# Allegro board controller_layout.brd (continued)
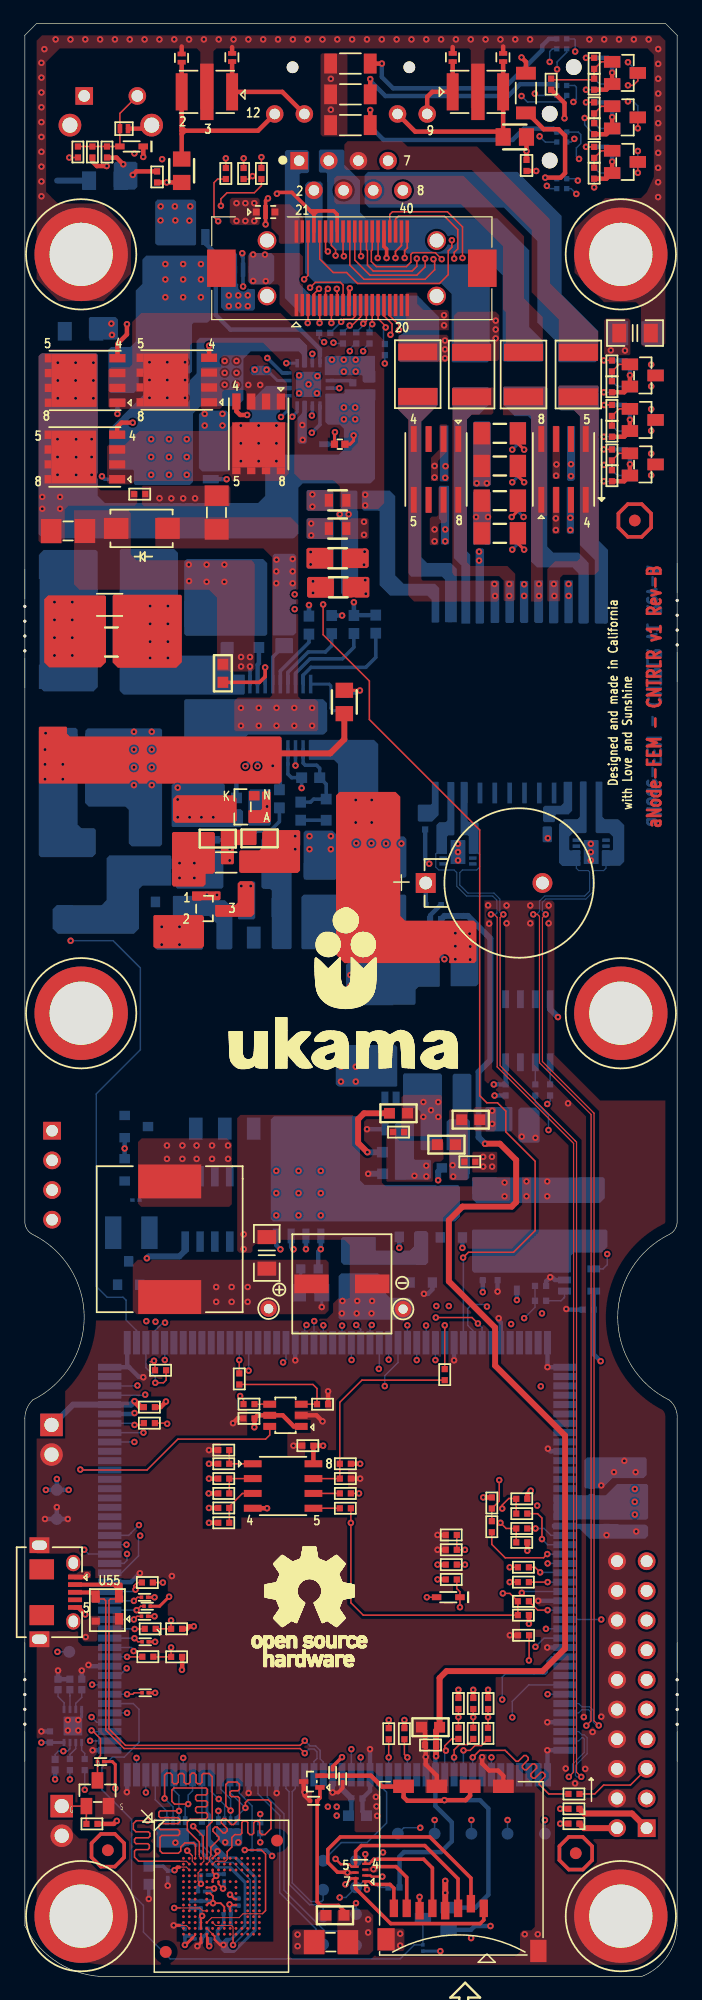
[diagram p0: board, top side]
## Copper pours and planes (outline as drawn; the poured copper is in the pictures) (continued)
(no net) on BOTTOM: 11.76,96.96 11.58,96.78 9.17,96.78 8.9,97.04 8.9,99.9 8.61,100.2 5.47,100.2 5.16,100.51 5.16,105.27 5.18,105.29 5.18,106.68 5.38,106.88 11.63,106.88 11.76,106.76
(no net) on BOTTOM: 7.97,141.91 7.97,140.35 7.8,140.18 5.64,140.18 5.48,140.34 5.48,142.01 5.58,142.11 7.77,142.11
(no net) on BOTTOM: 35.65,122.69 35.71,122.64 36.27,122.64 36.34,122.71 36.34,127.61 36.29,127.66 35.55,127.66 35.48,127.59 35.48,124.84 35.65,124.67
(no net) on BOTTOM: 31.96,135.82 31.96,134.2 32.85,133.31 32.85,120.13 33.1,119.88 35.73,119.88 35.99,119.62 35.99,116.02 36.04,115.97 36.98,115.97 37,115.99 37,120.54 36.5,121.05 34.46,121.05 33.96,121.55 33.96,133.15 35.39,134.58 35.39,135.87 35.21,136.05 32.18,136.05 32.18,136.04
(no net) on BOTTOM: 38.44,63.97 49.78,63.97 49.92,63.84 49.92,62.51 49.41,62 47.04,62 46.78,61.74 46.78,60.47 46.6,60.29 38.47,60.29 38.31,60.45 38.31,63.84
(no net) on BOTTOM: 45.45,41.23 49.76,41.23 50.72,42.19 53.26,42.19 53.39,42.06 53.39,39.26 53.26,39.14 45.36,39.14 45.29,39.2 45.29,41.07
(no net) on BOTTOM: 12.74,92.54 14.98,92.54 15.35,92.17 17.14,92.17 17.78,91.52 17.78,88.1 17.64,87.96 16.51,87.96 16.41,88.06 16.41,90.2 15.77,90.83 12.72,90.83 12.68,90.87 12.68,92.49
(no net) on L2-GND: 26.75,87.41 26.24,87.92 1.56,87.92 1.08,88.39 1.08,122.58 2.12,123.62 32.02,123.62 33.15,122.5 33.15,84.24 32.79,83.87 26.87,83.87 26.75,84
(no net) on L3-SIG1: 32.61,95.4 32.61,107.47 32.6,107.47 32.6,113.9 31.8,114.71 20.57,114.71 20.07,115.21 20.07,117.6 19.81,117.86 10.41,117.86 10.16,117.6 10.16,95 10.46,94.69 31.9,94.69
B2B_3V3 on TOP: 23.86,148.46 23.86,150.61 22.7,151.76 21.34,151.76 21.12,151.54 21.12,149.72 21.75,149.08 21.75,148.53 21.9,148.38 23.77,148.38
B2B_12V on BOTTOM (solid shape): 21.36,147.33 21.36,145.24 21.02,144.89 20.96,144.89 20.75,144.92 20.53,144.89 19.36,144.89 19.18,145.08 19.18,147.52 19.26,147.6 21.1,147.6
B2B_12V on TOP: 23.82,142.21 23.82,147.29 23.52,147.6 19.35,147.6 19.1,147.34 19.1,145.21 19.4,144.91 21.67,144.91 21.82,144.76 21.82,143.2 22.86,142.16 23.77,142.16
CHASIS_GND on TOP: 49.62,143.38 47.09,145.91 47.09,149.68 49.73,152.32 49.75,152.3 52.78,152.3 53.27,152.79 53.88,154.12 53.88,164.56 53.33,165.12 39.55,165.12 39.37,164.93 39.37,160.02 39.17,159.82 38.4,159.82 38.2,160.02 38.2,164.96 38.05,165.12 16.41,165.12 16.15,164.86 16.15,159.97 15.95,159.77 15.19,159.77 15.04,159.92 15.04,164.81 14.73,165.12 3,165.12 1.82,163.94 1.82,152.83 2.82,151.84 6.59,151.84 9.09,149.33 9.09,145.82 6.75,143.48 2.89,143.48 1.02,145.36 1.02,165.78 1.47,166.24 54.4,166.24 54.86,165.78 54.86,139.85 54.61,139.6 52.98,139.6 52.78,139.8 52.78,142.97 52.36,143.38
CHASIS_GND on BOTTOM: 52.98,139.6 52.78,139.8 52.78,142.97 52.37,143.38 49.46,143.38 47.24,145.59 47.24,149.91 49.38,152.04 52.78,152.04 53.86,153.13 53.86,159.56 53.87,159.56 53.87,164.55 53.3,165.12 48.06,165.12 48.06,166.22 47.75,166.22 47.75,166.23 44.2,166.23 44.2,166.22 43.54,166.22 43.54,165.12 3,165.12 1.83,163.95 1.83,154.94 2.29,154.48 3,154.48 3.08,154.4 3.08,152.74 3.98,151.84 6.59,151.84 9.09,149.33 9.09,145.82 6.75,143.48 4.32,143.48 4.06,143.23 4.06,140.06 3.91,139.9 1.42,139.9 1.02,140.31 1.02,165.78 1.47,166.24 54.4,166.24 54.86,165.78 54.86,139.85 54.61,139.6
CHASIS_GND on L2-GND, L3-SIG1, L4-SIG2, L5-PWR: 49.38,143.63 47.09,145.91 47.09,149.68 49.39,151.98 52.31,151.98 53.26,152.93 53.26,163.81 51.96,165.12 2.99,165.12 1.82,163.96 1.82,152.83 2.82,151.84 6.59,151.84 8.65,149.77 8.65,145.38 6.75,143.48 2.89,143.48 1.02,145.36 1.02,165.78 1.47,166.24 54.4,166.24 54.86,165.78 54.86,145.41 53.08,143.63
DATA1 on BOTTOM (solid shape): 24.16,134.93 24.16,132.27 24.15,132.2 24.16,132.14 24.16,131.4 24.02,131.27 23.51,131.27 23.37,131.41 23.37,133.5 23.71,133.84 23.71,133.89 23.76,133.93 23.76,134.9 23.81,134.95 24.13,134.95
DATA1 on BOTTOM (solid shape): 31.73,126.76 31.73,119.98 32.44,119.27 35.14,119.27 35.5,118.91 35.5,116.01 35.45,115.95 34.88,115.95 34.84,115.99 34.84,117.89 34.48,118.25 31.29,118.25 30.39,119.16 30.39,125.47 30.33,125.53 29.04,125.53 28.87,125.7 28.87,127.13 28.99,127.25 31.24,127.25
DATA1 on TOP: 23.1,134.17 22.88,134.39 22.88,137.44 20.42,139.9 14.34,139.9 14.14,139.7 14.14,134.26 14.14,134.25 7.34,134.25 7.14,134.45 7.14,137.59 7.35,137.79 8.94,137.79 9.19,138.05 9.19,141.68 9.96,142.45 21.9,142.45 23.5,140.85 30.03,140.85 30.78,140.1 30.78,126.18 30.28,125.68 27.18,125.68 26.97,125.88 26.97,127.61 26.47,128.12 23.67,128.12 23.1,128.69
DATA2 on TOP (solid shape): 29.46,122.13 29.46,120.77 29.3,120.61 27.27,120.61 27.17,120.71 27.17,122.14 27.32,122.29 29.3,122.29
DATA2 on BOTTOM (solid shape): 46.94,119.52 46.94,115.98 46.85,115.89 46.28,115.89 46.21,115.97 46.21,119.54 46.24,119.57 46.9,119.57
DATA2 on BOTTOM (solid shape): 22.85,136.19 22.85,135.87 22.82,135.83 21.93,135.83 21.87,135.77 21.87,134.01 21.82,133.97 21.81,133.96 21.51,133.54 21.83,133.14 21.87,133.13 21.87,131.09 21.69,130.91 19.45,130.91 19.25,131.12 19.25,133.34 19.48,133.73 19.25,134.11 19.25,134.79 20.39,135.93 20.47,136 20.53,136.07 20.67,136.22 22.83,136.22
DATA2 on TOP: 7.05,131.03 7.05,127.99 7.25,127.78 9.14,127.78 9.43,128.07 21.97,128.07 22.61,128.71 22.61,132.87 22.35,133.13 18.04,133.13 17.27,132.36 9.78,132.36 8.62,131.19 7.2,131.19
DATA2 on L3-SIG1: 47.59,117.62 45.92,117.62 45.77,117.78 45.77,119.5 45.31,119.97 42.04,119.97 41.45,119.38 41.45,117.83 41.25,117.62 32.2,117.62 31.75,118.08 31.75,119.81 31,120.56 19.34,120.56 18.1,121.79 18.1,132.9 18.38,133.18 22.21,133.18 22.4,132.99 22.4,125.17 23.52,124.05 25.4,124.05 26.68,122.77 33.79,122.77 34.07,122.49 34.07,120.85 34.68,120.24 38.89,120.24 40.39,121.75 47.58,121.75 47.88,121.45 47.88,117.92
SOM_ETH_RX+ on BOTTOM (solid shape): 48.13,102.29 48.13,98.02 48.03,97.92 46.94,97.92 46.63,97.61 46.63,96.53 46.71,96.45 47.55,96.45 47.6,96.4 47.6,95.14 47.56,95.1 46.04,95.1 45.76,95.39 45.76,98.69 46.18,99.11 47.34,99.11 47.54,99.32 47.54,102.29 47.59,102.34 48.08,102.34
SOM_ETH_RX- on BOTTOM (solid shape): 49.47,102.29 49.47,99.31 49.68,99.11 50.83,99.11 51.34,98.6 51.34,95.47 50.99,95.12 49.46,95.12 49.42,95.16 49.42,96.39 49.47,96.44 50.31,96.44 50.38,96.52 50.38,97.61 50.07,97.92 48.99,97.92 48.89,98.02 48.89,102.3 48.92,102.34 49.42,102.34
SOM_ETH_TX+ on BOTTOM (solid shape): 36.8,102.24 36.8,97.82 36.7,97.72 36.26,97.72 36.16,97.61 36.16,96.21 36.09,96.14 35.3,96.14 35.25,96.19 35.25,98.6 35.51,98.86 36.06,98.86 36.19,98.99 36.19,102.26 36.22,102.29 36.75,102.29
SOM_ETH_TX- on BOTTOM (solid shape): 37.93,102.27 37.93,99.01 38.06,98.88 38.74,98.88 38.87,98.75 38.87,96.21 38.82,96.16 38.06,96.16 38.03,96.19 38.03,97.63 37.93,97.74 37.42,97.74 37.32,97.84 37.32,102.26 37.37,102.31 37.9,102.31
SOM_USBA_DM on TOP (solid shape): 8.38,33.64 8.38,32.17 8.28,32.06 7.82,32.06 7.72,32.17 7.72,33.23 7.57,33.39 3.71,33.39 3.71,33.74 8.28,33.74
SOM_USBA_DP on TOP (solid shape): 6.42,33.02 6.42,32.11 6.34,32.03 5.81,32.03 5.72,32.12 5.72,32.64 5.64,32.73 3.71,32.73 3.71,33.08 6.35,33.08
SPARE1 on TOP (solid shape): 29.51,119.73 29.51,118.21 29.38,118.08 28.36,118.08 28.35,118.08 28.19,118.12 28.02,118.08 28.01,118.08 27.35,118.08 27.23,118.21 27.23,119.73 27.35,119.86 29.38,119.86
SPARE1 on BOTTOM (solid shape): 21.13,137.67 21.13,137.28 20.98,137.13 19.5,137.13 19.35,137.28 19.35,137.82 19.48,137.94 20.86,137.94
SPARE1 on BOTTOM (solid shape): 43.13,119.45 43.13,116.01 43.03,115.91 42.53,115.91 42.41,116.03 42.41,119.46 42.46,119.52 43.06,119.52
SPARE1 on BOTTOM (solid shape): outline of 169 points within 7.15,135.61 15.95,147.38
SPARE1 on L3-SIG1: 20.83,120.02 30.7,120.02 31.14,119.59 31.14,117.79 31.7,117.24 41.76,117.24 42.09,117.56 42.09,119.38 42.3,119.59 43.29,119.59 43.54,119.35 43.54,116.13 43.28,115.88 35.08,115.88 34.59,115.39 20.83,115.39
SPARE1 on L4-SIG2: 16.51,145.55 16.51,141.48 17.27,140.72 21.61,140.72 22.16,140.16 22.16,123.44 23.88,121.72 23.88,115.9 23.2,115.22 12.02,115.22 11.52,115.72 11.52,145.39 11.83,145.69 16.36,145.69
SPARE2 on BOTTOM (solid shape): 39.34,122.19 39.34,115.94 39.25,115.85 38.69,115.85 38.6,115.94 38.6,122.15 38.75,122.3 39.22,122.3
SPARE2 on BOTTOM (solid shape): outline of 606 points within 7.22,127.73 24.18,140.33
SPARE2 on TOP: 29.46,124.76 29.46,123.24 29.33,123.11 27.3,123.11 27.17,123.24 27.17,124.76 27.3,124.89 29.33,124.89
SPARE2 on L3-SIG1: 39.06,120.93 34.93,120.93 34.59,121.26 34.59,122.78 34.19,123.19 27.2,123.19 25.96,124.43 23.52,124.43 22.78,125.16 22.78,133.25 22.36,133.67 18.3,133.67 17.69,133.06 17.69,128.59 17.37,128.27 10.48,128.27 10.07,128.67 10.07,137.03 10.65,137.61 25.4,137.61 26.68,136.33 26.68,132.17 27.61,131.24 27.61,127.58 28.17,127.02 40.08,127.02 40.38,126.72 40.38,122.25
TRXFE_IN_12V on BOTTOM (solid shape): 18.18,147.49 18.18,145 18.28,144.9 18.28,144.85 18.27,144.73 18.28,144.61 18.28,144.57 18.31,144.54 18.7,144.3 19.09,144.55 19.17,144.55 19.2,144.51 19.64,144.51 19.71,144.45 19.71,142.82 19.55,142.67 17.07,142.67 16.81,142.92 16.81,147.49 16.96,147.65 18.03,147.65
TRXFE_IN_12V on TOP: 25.81,61.38 26.02,61.17 26.02,57.03 25.71,56.72 9.57,56.72 9.25,57.05 9.25,60.96 9.67,61.38
TRXFE_IN_12V on TOP: 25.5,157.58 27.43,157.58 27.64,157.79 27.64,164.54 27.48,164.69 25.46,164.69 25.34,164.57 25.34,157.75
TRXFE_IN_12V on TOP: 38.32,68.93 38.32,70.54 38.42,70.63 40.4,70.63 40.46,70.57 40.46,68.94 40.38,68.86 38.39,68.86
TRXFE_IN_12V on L3-SIG1: 23.77,58.18 23.79,58.18 30.47,64.86 39.59,64.86 40.54,65.8 40.54,72.75 39.88,73.41 33.83,73.41 33.42,73.81 33.42,84.45 33.83,84.86 44.42,84.86 44.42,84.86 45.09,84.86 48.41,88.19 53.05,88.19 54.02,89.15 54.02,125.4 51.81,127.61 49.21,127.61 47.21,129.61 47.21,137.02 46.81,137.41 35.05,137.41 34.54,137.92 34.54,145.97 34,146.51 17.65,146.51 16.96,145.82 16.96,141.19 16.97,141.18 16.97,139.01 17.95,138.03 25.87,138.03 28.53,135.37 30.1,135.37 30.67,134.8 30.67,132.06 31.65,131.08 40.32,131.08 40.74,130.66 40.74,123.67 40.76,123.64 40.76,122.58 41.14,122.2 48.36,122.2 48.88,121.67 48.88,95.31 48.7,95.13 33.72,95.13 32.43,93.84 26.74,93.84 25.75,92.85 25.75,73.73 25.09,73.07 14.78,73.07 14.17,72.46 14.17,57.36 15.06,56.47 22.05,56.47 ; 1 cut-out
TRXFE_IN_12V on L4-SIG2: 25.63,162.77 25.63,159.54 25.86,159.31 26.67,159.31 26.8,159.44 26.8,162.78 26.65,162.93 25.8,162.93
VC on TOP (solid shape): outline of 365 points within 1.2,102.16 21.99,107.04
VC on BOTTOM (solid shape): 4.52,106.78 4.52,98.65 4.83,98.35 5.93,98.35 6.08,98.2 6.08,96.16 5.78,95.86 1.37,95.86 1.2,96.03 1.2,106.71 1.42,106.93 4.37,106.93
VPORTN on BOTTOM (solid shape): 14.67,151.99 14.67,148.34 14.58,148.25 11.35,148.25 11.16,148.44 11.16,151.97 11.36,152.17 14.49,152.17
VPORTN on BOTTOM (solid shape): 17.57,133.77 17.57,129 17.47,128.9 15.19,128.9 14.91,129.18 14.91,133.79 15.23,134.1 17.24,134.1
VPORTN on BOTTOM (solid shape): 39.93,127.07 39.93,122.68 39.89,122.64 39.43,122.64 39.38,122.68 38.6,122.68 38.55,122.64 38.44,122.64 38.4,122.68 38.4,127.09 38.49,127.17 39.82,127.17
VPORTN on BOTTOM (solid shape): 27.7,138.78 27.84,138.76 27.97,138.78 27.98,138.78 28.81,138.78 28.82,138.78 28.98,138.75 29.14,138.78 29.15,138.78 30,138.78 30,138.78 30,136.59 29.89,136.49 29.07,136.49 28.93,136.63 28.93,137.05 28.85,137.14 28.42,137.14 25.74,137.14 25.69,137.19 25.69,138.64 25.83,138.78 27.7,138.78
VPORTN on TOP: 17.6,127.53 17.6,126.04 17.47,125.9 10.21,125.9 10.03,126.08 10.03,127.58 10.11,127.66 17.47,127.66
VPORTN on TOP: 22.46,134.19 22.46,136.49 20.1,138.85 17,138.85 16.81,138.65 16.81,137.84 16.76,137.79 15.16,137.79 15.05,137.69 15.05,134.37 15.19,134.24 16.71,134.24 16.91,134.44 16.91,135.7 17.07,135.86 18.85,135.86 18.96,135.74 18.96,134.26 19.09,134.13 22.4,134.13
VPORTN on TOP: 38.48,127.17 39.85,127.17 39.93,127.09 39.93,122.77 39.8,122.64 38.53,122.64 38.4,122.77 38.4,127.09
VPORTN on L2-GND: 1.03,124.9 1.03,141.64 1.67,142.29 8.44,142.29 10.23,144.08 10.23,152.21 10.63,152.61 15.34,152.61 15.8,152.16 15.8,142.79 19.32,139.27 39.48,139.27 42.62,136.14 42.62,124.84 42.12,124.34 1.58,124.34
VPORTP on BOTTOM (solid shape): 39.93,133.04 39.93,127.76 39.76,127.59 38.48,127.59 38.4,127.68 38.4,133.04 38.53,133.17 39.8,133.17
VPORTP on BOTTOM (solid shape): outline of 124 points within 1.17,123.16 30,139.01
VPORTP on TOP: 1.17,122.95 1.4,122.72 3.11,122.72 3.4,123 3.4,125.61 3.75,125.96 9.42,125.96 9.63,126.16 9.63,127.12 9.47,127.28 6.5,127.28 6.24,127.53 6.24,138.91 6.14,139.01 1.42,139.01 1.17,138.76
VPORTP on TOP: 38.47,133.1 39.81,133.1 39.93,132.99 39.93,127.78 39.71,127.57 38.51,127.57 38.4,127.68 38.4,133.03
VPORTP on L3-SIG1: 27.17,135 29.87,135 30.17,134.69 30.17,131.88 31.36,130.68 39.96,130.68 40.18,130.46 40.18,127.78 39.82,127.43 28.44,127.43 28.04,127.83 28.04,131.44 27.02,132.46 27.02,134.84
N00638 on TOP (solid shape): 19.84,98.12 19.84,96.97 19.77,96.89 18,96.89 17.91,96.8 17.91,95.34 17.82,95.25 16.87,95.25 16.8,95.32 16.8,97.01 16.79,97.02 16.79,98.18 16.82,98.22 19.75,98.22
N00723 on TOP (solid shape): 16.28,97.9 16.28,94.61 16.11,94.44 15.54,94.44 15.48,94.38 15.48,93.54 15.28,93.34 12.74,93.34 12.61,93.48 12.61,97.91 12.71,98.02 16.16,98.02
N00723 on BOTTOM (solid shape): 17,96.37 17,93.3 16.87,93.17 13.06,93.17 12.93,93.3 12.93,95.84 13.03,95.94 14.15,95.94 14.36,96.16 14.36,96.45 14.38,96.47 16.9,96.47
N00785 on TOP (solid shape): outline of 224 points within 26.66,86.78 38.68,101.45
N00785 on BOTTOM (solid shape): 38.46,89.6 38.46,88.34 38.56,88.24 38.81,88.24 38.86,88.19 38.86,85.01 38.66,84.81 36.53,84.81 36.47,84.86 36.47,89.94 36.68,90.14 37.92,90.14
N00785 on BOTTOM (solid shape): 30.28,105.53 30.28,101.97 30.28,101.97 30.28,98.3 30.18,98.2 26.98,98.2 26.83,98.35 26.83,103.84 26.48,104.19 24.38,104.19 24.33,104.24 24.33,105.87 24.37,105.9 29.91,105.9
N01015 on BOTTOM (solid shape): 20.76,121.03 20.76,114.96 20.62,114.81 13.81,114.81 13.65,114.97 13.65,121.17 13.88,121.39 20.41,121.39
N01015 on TOP: 15.75,118.77 16.46,118.06 16.46,111.86 16.56,111.76 19.46,111.76 19.67,111.98 19.67,121.03 19.41,121.29 9.56,121.29 9.08,121.77 9.08,125.3 8.81,125.58 4.27,125.58 4.22,125.53 4.22,119.23 4.68,118.77
N01015 on BOTTOM: 19.1,109.83 19.1,111.74 18.97,111.87 18.43,111.87 18.24,112.07 18.24,113.08 18.42,113.27 19.42,113.27 19.61,113.08 19.61,111.96 19.46,111.81 19.46,109.83
N01655 on BOTTOM (solid shape): 22.74,97.55 22.75,97.54 22.79,97.44 22.86,97.35 22.86,96.85 22.73,96.54 22.86,96.24 22.86,88.09 22.75,87.98 21.28,87.98 21.16,88.11 21.16,92.99 21,93.15 20.42,93.15 20.27,93.29 20.27,97.38 20.57,97.68 22.61,97.68
N02005 on TOP (solid shape): 16.76,92.88 16.76,92.27 16.66,92.17 14.37,92.17 14.32,92.22 14.32,92.88 14.37,92.93 16.71,92.93
N02005 on TOP (solid shape): 21.06,101.42 21.06,98.95 20.9,98.78 19.22,98.78 19.16,98.85 19.16,99.87 19.17,99.88 20.19,99.88 20.31,100 20.31,101.41 20.39,101.49 20.99,101.49
N02005 on BOTTOM (solid shape): 21.09,101.6 21.09,98.69 20.95,98.55 19.25,98.55 19.15,98.65 19.15,101.5 19.32,101.66 19.55,101.66 19.55,101.67 21.02,101.67
N03008 on TOP (solid shape): 19.66,93.61 19.66,91 19.4,90.75 16.41,90.75 16.3,90.85 16.3,91.72 16.35,91.77 18.03,91.77 18.23,91.97 18.23,93.6 18.43,93.8 19.46,93.8
N03008 on BOTTOM (solid shape): 19.74,93.67 19.74,90.66 19.61,90.53 18.34,90.53 18.26,90.61 18.26,93.62 18.44,93.8 19.62,93.8
N04034 on BOTTOM (solid shape): 38.25,77.18 38.25,74.18 38.11,74.04 36.81,74.04 36.65,74.2 36.65,77.17 36.79,77.31 38.12,77.31
N04075 on BOTTOM (solid shape): 38.13,73.25 38.13,68.7 38.07,68.7 38.07,68.41 37.87,68.2 36.58,68.2 36.38,68.41 36.38,70.71 36.32,70.76 36.13,70.76 36.13,73.21 36.34,73.41 37.97,73.41
N04075 on TOP: 36.35,74.15 36.35,68.28 36.44,68.2 37.72,68.2 37.72,68.2 37.85,68.2 37.95,68.3 37.95,74.07 37.74,74.28 36.48,74.28
N04460 on BOTTOM (solid shape): 41.77,74.4 41.77,72.5 41.64,72.37 39.55,72.37 39.44,72.48 39.44,74.36 39.54,74.47 41.7,74.47
N04460 on TOP: 38.44,72.57 38.64,72.37 40.19,72.37 40.39,72.58 40.39,74.33 40.26,74.46 38.58,74.46 38.44,74.32
N04575 on BOTTOM (solid shape): 35.73,77.21 35.73,70.83 35.66,70.76 33.99,70.76 33.89,70.86 33.89,74.07 33.59,74.37 32.48,74.37 32.39,74.45 32.39,77.23 32.52,77.35 35.58,77.35
N04575 on TOP: 32.26,72.04 32.26,75.3 32.47,75.51 35.6,75.51 35.73,75.38 35.73,72.12 35.57,71.96 32.34,71.96
N04680 on BOTTOM (solid shape): 33.33,73.07 33.33,70.05 33.43,69.95 34.7,69.95 34.8,69.85 34.8,68.39 34.65,68.24 31.76,68.24 31.7,68.3 31.7,72.98 31.91,73.19 33.21,73.19
N04680 on TOP: 30.96,72.64 30.96,68.15 31.04,68.07 34.88,68.07 34.95,68.14 34.95,69.6 35.15,69.79 35.64,69.79 35.86,70.02 35.86,71.42 35.7,71.58 32.08,71.58 31.84,71.82 31.84,72.61 31.76,72.69 31.01,72.69
N07766 on BOTTOM (solid shape): 12.54,95.94 12.54,93.48 12.49,93.42 10.08,93.42 9.78,93.12 9.78,89.73 9.35,89.3 2.83,89.3 2.37,89.76 2.37,91.39 2.75,91.76 4.08,91.76 4.1,91.75 6.57,91.75 7,92.18 7,95.76 7.26,96.02 12.46,96.02
N07855 on BOTTOM (solid shape): 15.35,92.17 17.14,92.17 17.78,91.52 17.78,88.1 17.64,87.96 16.51,87.96 16.41,88.06 16.41,90.2 15.77,90.83 12.72,90.83 12.68,90.87 12.68,92.49 12.74,92.54 14.98,92.54
N09594 on BOTTOM (solid shape): 25.88,109.06 25.88,108.47 25.9,108.45 25.9,106.66 25.61,106.36 19.12,106.36 18.9,106.14 18.88,106.14 18.88,106.12 18.79,106.03 18.79,104.3 18.76,104.27 14,104.27 13.65,104.63 13.65,109.26 13.77,109.39 25.55,109.39
N09594 on BOTTOM (solid shape): 23.25,121.64 23.25,118.9 23.22,118.82 23.14,118.8 22.68,118.36 23.14,117.93 23.22,117.91 23.25,117.83 23.25,117.63 23.22,117.55 23.14,117.53 22.68,117.09 23.14,116.66 23.22,116.64 23.25,116.56 23.25,115.08 23.02,114.85 21.24,114.85 21.24,121.69 21.4,121.84 23.04,121.84
N09594 on TOP: 23.42,124.33 23.42,109.63 23.67,109.37 24.89,109.37 25.14,109.12 25.14,106.8 24.98,106.64 18.08,106.64 17.93,106.78 17.93,109.22 18.24,109.53 20.98,109.53 21.19,109.73 21.19,121.54 20.42,122.3 11.36,122.3 11.18,122.49 11.18,124.87 11.22,124.82 11.37,124.97 22.78,124.97
N10774 on TOP (solid shape): 13.45,118.23 13.45,112.57 12.96,112.08 7.97,112.08 7.52,112.53 7.52,118.23 7.62,118.32 13.36,118.32
N10774 on BOTTOM (solid shape): 32.68,97.43 32.68,97.33 32.68,97.33 32.68,94.23 32.57,94.12 27.41,94.12 27.21,94.32 27.21,97.49 27.35,97.64 32.47,97.64
N10774 on BOTTOM (solid shape): 13.12,121.93 13.12,113.4 13.4,113.12 16.56,113.12 16.76,113.32 16.76,114.2 16.86,114.3 17.83,114.3 17.88,114.25 17.88,111.53 17.92,111.49 18.82,111.49 18.85,111.46 18.85,109.88 18.75,109.78 8.45,109.78 8.12,110.11 8.12,122.13 8.25,122.26 12.79,122.26
N10774 on L3-SIG1 (solid shape): outline of 2215 points within 10.16,94.69 32.61,117.86
N11429 on BOTTOM (solid shape): 32.67,92.54 32.67,88.45 32.2,87.97 24.01,87.97 24.01,87.97 23.8,87.97 23.68,88.08 23.68,92.44 23.9,92.65 32.56,92.65
N12017 on BOTTOM (solid shape): 28.7,73.41 28.7,68.2 29.11,67.8 35.18,67.8 35.4,67.74 35.63,67.8 37.1,67.8 37.27,67.62 37.27,65.08 36.87,64.67 21.26,64.67 21.06,64.87 21.06,73.39 21.35,73.68 28.43,73.68
N12028 on TOP: 17.73,71.37 17.73,66.14 17.5,65.91 9.96,65.91 9.69,66.18 9.69,71.48 10,71.78 17.32,71.78
N12028 on BOTTOM: 17.93,73.25 17.93,67.67 17.78,67.51 12.9,67.51 12.6,67.21 12.6,62.54 12.34,62.28 9.96,62.28 9.7,62.54 9.7,73.25 10.01,73.56 17.63,73.56
N12493 on BOTTOM: 9.09,60.76 6.55,60.76 6.35,60.95 6.35,68.43 6.55,68.63 9.08,68.63 9.3,68.42 9.3,60.96
N13989 on BOTTOM (solid shape): 34.56,63.66 34.56,61.16 34.35,60.95 27.32,60.95 27.09,61.18 27.09,63.18 27.24,63.33 30.02,63.33 30.06,63.29 30.06,62.23 30.12,62.18 31.71,62.18 32.08,61.97 32.45,62.18 32.98,62.18 33.34,62.53 33.34,63.69 33.48,63.84 34.38,63.84
N395134 on TOP: 31.98,140.41 31.98,138.42 32.15,138.25 36.09,138.25 36.28,138.43 36.28,140.45 36.13,140.6 32.17,140.6 31.99,140.41
N395134 on L3-SIG1: 42.82,137.88 36.05,137.88 35.57,138.36 35.57,140.34 35.75,140.52 37.18,140.52 37.3,140.4 37.3,139.66 37.45,139.52 41.21,139.52 41.78,140.09 41.78,150.02 37.22,154.58 30.42,154.58 30.27,154.72 30.27,156.14 30.55,156.41 38.04,156.41 43.25,151.2 43.25,138.32
N395138 on BOTTOM (solid shape): 39.93,135.84 39.93,134.77 38.91,133.75 38.27,133.75 37.87,133.35 37.87,122.04 38.15,121.77 38.15,116.13 38.15,115.88 38.13,115.85 37.41,115.85 37.39,115.88 37.39,120.7 37.39,120.85 36.75,121.48 36.75,133.24 36.62,133.37 36.62,136.04 36.68,136.1 39.67,136.1
N395142 on BOTTOM (solid shape): 35.39,135.87 35.39,134.58 33.96,133.15 33.96,121.55 34.46,121.05 36.5,121.05 37,120.54 37,115.99 36.98,115.97 36.04,115.97 35.99,116.02 35.99,119.62 35.73,119.88 33.1,119.88 32.85,120.13 32.85,133.31 31.96,134.2 31.96,135.82 32.19,136.05 35.21,136.05
N395250 on BOTTOM (solid shape): 7.97,141.91 7.97,140.35 7.8,140.18 5.64,140.18 5.48,140.34 5.48,142.01 5.58,142.11 7.77,142.11
N395250 on BOTTOM (solid shape): 28.49,127.16 28.49,125.54 28.55,125.48 28.55,118.36 28.52,118.33 27.23,118.33 27.09,118.47 27.09,124.59 26.79,124.88 26.79,124.92 26.7,125.02 26.7,125.37 27.09,125.77 27.09,127.17 27.17,127.25 28.4,127.25
N395250 on L5-PWR: 7.82,141.91 1.39,141.91 1.06,141.58 1.06,123.16 1.83,122.39 26.33,122.39 28.01,124.08 28.01,125.58 27.79,125.8 7.09,125.8 5.32,127.57 5.32,138.82 6.42,139.92 7.68,139.92 7.97,140.21 7.97,141.75
N395254 on BOTTOM (solid shape): 26.27,127.07 26.27,125.73 26.06,125.52 24.25,125.52 24.13,125.65 24.13,127.2 24.23,127.3 26.04,127.3
N395254 on TOP: 24.26,127.3 26.29,127.3 26.41,127.17 26.41,125.65 26.29,125.52 24.25,125.52 24.13,125.65 24.13,127.17
N395258 on TOP (solid shape): 26.41,122.22 26.41,120.7 26.29,120.57 24.25,120.57 24.13,120.7 24.13,122.21 24.26,122.35 26.29,122.35
N395258 on BOTTOM (solid shape): 26.41,122.22 26.41,120.7 26.29,120.57 24.25,120.57 24.13,120.7 24.13,122.21 24.26,122.35 26.29,122.35
N395262 on TOP (solid shape): 26.46,119.73 26.46,118.21 26.34,118.08 24.3,118.08 24.18,118.21 24.18,119.72 24.31,119.86 26.34,119.86
N395262 on BOTTOM (solid shape): 26.46,119.73 26.46,118.21 26.34,118.08 24.3,118.08 24.18,118.21 24.18,119.72 24.31,119.86 26.34,119.86
N395266 on BOTTOM (solid shape): 26.41,124.76 26.41,123.24 26.29,123.11 24.25,123.11 24.13,123.24 24.13,124.75 24.26,124.89 26.29,124.89
N395266 on TOP: 24.26,124.89 26.29,124.89 26.41,124.76 26.41,123.24 26.29,123.11 24.25,123.11 24.13,123.24 24.13,124.75
N395314 on BOTTOM (solid shape): outline of 88 points within 29.11,138.24 49.12,154.54
N395334 on BOTTOM (solid shape): 44.38,136.17 44.62,136.17 44.75,136.04 44.75,122.45 45.26,121.94 47.42,121.94 48.31,121.05 48.31,115.97 48.19,115.85 47.54,115.85 47.42,115.97 47.42,120.16 46.91,120.67 43.86,120.67 43.36,121.18 43.36,133.37 43.1,133.63 41.96,133.63 40.96,134.63 40.96,136.06 41.07,136.17 41.37,136.17 41.37,136.17 44.37,136.17
N395362 on BOTTOM (solid shape): 49.17,136.15 49.17,135.8 49.15,135.67 49.17,135.54 49.17,131.99 49.15,131.86 49.17,131.73 49.17,130.85 49.16,130.78 49.17,130.7 49.17,128.18 49.15,128.05 49.17,127.92 49.17,122.96 49.96,122.17 49.96,115.97 49.83,115.85 49.66,115.85 49.66,115.85 48.94,115.85 48.82,115.97 48.82,121.31 47.55,122.58 47.55,133.63 47.05,134.12 45.88,134.12 45.66,134.34 45.66,136.12 45.79,136.25 49.07,136.25
N395386 on BOTTOM (solid shape): outline of 221 points within 25.19,138.28 44.41,156.45
N395402 on TOP: 36.99,138.34 40.48,138.34 40.64,138.5 40.64,142.26 40.32,142.58 37.1,142.58 36.75,142.22 36.75,138.58
N395402 on L3-SIG1: 31.66,153.82 36.53,153.82 41.12,149.23 41.12,140.07 40.97,139.92 39.45,139.92 39.3,140.08 39.3,148.02 35.2,152.12 31.73,152.12 31.53,152.31 31.53,153.7
N395406 on TOP: 49.12,138.48 49.12,140.86 44.98,145 44.98,150.47 38.74,156.71 32.78,156.71 32.32,157.18 27.66,157.18 27.37,156.88 27.37,154.87 27.54,154.7 38.29,154.7 43.41,149.58 43.41,144.23 45.72,141.92 45.72,138.5 45.91,138.31 48.95,138.31
N395410 on BOTTOM (solid shape): 44.39,119.52 44.39,116.01 44.29,115.91 43.76,115.91 43.63,116.03 43.63,119.53 43.66,119.57 44.35,119.57
N395410 on TOP: 43.36,117.75 43.36,117.75 44.24,117.75 44.37,117.88 44.37,124.23 44.37,124.23 44.37,125.04 44.4,125.07 44.7,125.07 44.75,125.12 44.75,136.04 44.62,136.17 44.38,136.17 44.37,136.17 41.07,136.17 40.96,136.06 40.96,133.74 41,133.71 43.28,133.71 43.36,133.63
N395776 on BOTTOM (solid shape): 47.14,128.25 46.96,128.07 46.55,128.07 46.45,128.17 46.45,132.77 47.14,132.77
N395780 on BOTTOM (solid shape): 40.63,119.47 40.63,115.98 40.57,115.91 39.96,115.91 39.9,115.97 39.9,119.46 39.99,119.54 40.56,119.54
N395780 on TOP: 31.96,135.82 31.96,134.2 32.85,133.31 32.85,118.25 33.35,117.75 40.48,117.75 40.62,117.89 40.62,119.39 40.47,119.54 34.09,119.54 33.96,119.68 33.96,133.15 35.39,134.58 35.39,136 35.35,136.05 32.18,136.05 32.18,136.04
N395784 on BOTTOM (solid shape): 41.89,119.51 41.89,116 41.81,115.91 41.25,115.91 41.17,116 41.17,119.52 41.2,119.55 41.85,119.55
N395784 on TOP: 36.62,120.16 36.86,119.93 40.63,119.93 41.02,119.54 41.02,117.87 41.1,117.78 41.87,117.78 42.01,117.92 42.01,120.12 41.33,120.79 38.2,120.79 37.87,121.12 37.87,133.35 38.27,133.75 38.91,133.75 38.91,133.75 39.98,133.75 40.13,133.91 40.13,136.04 40.08,136.1 36.68,136.1 36.62,136.04
N395792 on BOTTOM (solid shape): 45.7,119.53 45.7,115.98 45.6,115.88 44.95,115.88 44.91,115.92 44.91,119.52 44.97,119.58 45.66,119.58
N395792 on TOP: 45.88,134.12 45.66,134.34 45.66,136.12 45.79,136.25 49.07,136.25 49.17,136.15 49.17,120.39 48.82,120.04 46.11,120.04 45.85,119.78 45.85,117.84 45.78,117.76 44.81,117.76 44.76,117.81 44.76,120.54 45.4,121.18 47.29,121.18 47.55,121.43 47.55,133.63 47.05,134.12
N395800 on BOTTOM (solid shape): 25.52,153.53 25.52,147.02 25.9,146.63 38.24,146.63 39.83,145.04 39.83,138.42 39.64,138.23 36.65,138.23 36.56,138.31 36.56,144.09 35.68,144.97 28.02,144.97 28.01,144.97 27.84,145.01 27.67,144.97 27.66,144.97 24.91,144.97 24.01,145.87 24.01,153.45 24.27,153.71 25.33,153.71
N395804 on BOTTOM (solid shape): 24.36,156.24 24.36,154.58 24.21,154.43 23.64,154.43 23.54,154.33 23.54,145.54 23.54,145.53 23.49,145.34 23.54,145.15 23.54,145.14 23.54,144.93 24.06,144.41 24.13,144.32 24.21,144.26 24.52,143.95 33.65,143.95 34.16,143.44 34.16,143.43 35.5,142.09 35.5,141.53 35.5,141.52 35.48,141.4 35.5,141.28 35.5,141.27 35.5,138.41 35.39,138.3 32.1,138.3 32.02,138.38 32.02,140.52 32.04,140.55 32.07,140.57 32.48,141 32.07,141.43 32.04,141.44 32.02,141.48 32.02,141.61 31.39,142.24 23.78,142.24 22.28,143.74 22.28,156.26 22.42,156.41 24.18,156.41
N395816 on BOTTOM (solid shape): 47.04,127.54 47.04,123.62 46.96,123.55 46.54,123.55 46.42,123.67 46.42,127.51 46.48,127.56 47.01,127.56
N395844 on TOP: 26.73,154.2 37.57,154.2 42.76,149.01 42.76,143.71 44.37,142.1 44.37,138.58 44.12,138.32 41.32,138.32 41.2,138.45 41.2,142.52 40.97,142.75 40.97,148.16 37.38,151.75 26.7,151.75 26.52,151.94 26.52,153.99
N397188 on BOTTOM (solid shape): 46.88,102.3 46.88,99.83 46.58,99.52 45.54,99.52 45.41,99.39 45.41,98.94 45.33,98.86 44.5,98.86 44.39,98.96 44.39,100.12 44.53,100.26 45.92,100.26 46.15,100.49 46.15,102.27 46.19,102.32 46.87,102.32
N397192 on BOTTOM (solid shape): 35.45,102.26 35.45,99.48 34.89,98.91 33.75,98.91 33.66,99 33.66,100.27 33.74,100.36 34.77,100.36 34.87,100.46 34.87,102.24 34.94,102.32 35.4,102.32
N397214 on BOTTOM (solid shape): 36.29,132.8 36.29,128.1 36.24,128.05 35.58,128.05 35.55,128.07 35.55,132.77 35.61,132.82 36.27,132.82
N397226 on BOTTOM (solid shape): 36.34,127.61 36.34,122.71 36.27,122.64 35.71,122.64 35.65,122.69 35.65,124.67 35.48,124.84 35.48,127.59 35.55,127.66 36.29,127.66
N1148675 on TOP: 36.16,127.54 36.16,124.62 36.01,124.46 35.57,124.46 35.43,124.33 35.43,122.66 35.36,122.58 34.75,122.58 34.69,122.64 34.69,124.86 34.85,125.02 35.27,125.02 35.43,125.18 35.43,127.51 35.5,127.59 36.11,127.59
N1148683 on TOP: 36.19,132.85 36.19,130.59 35.4,129.8 35.4,128.1 35.38,128.07 34.82,128.07 34.79,128.1 34.79,130.05 35.5,130.76 35.5,132.82 35.61,132.92 36.11,132.92
N1148871 on TOP: 45.21,132.74 45.21,128.32 45.28,128.25 45.77,128.25 45.84,128.32 45.84,132.69 45.74,132.8 45.26,132.8
N1148879 on TOP: 45.21,127.51 45.21,123.63 45.28,123.55 45.72,123.55 45.82,123.65 45.82,127.51 45.77,127.56 45.26,127.56
N16838078 on BOTTOM (solid shape): 49.92,63.84 49.92,62.51 49.64,62.23 49.58,62.18 49.53,62.12 49.41,62 47.04,62 46.78,61.74 46.78,60.47 46.6,60.29 45.21,60.29 45.2,60.29 45.01,60.34 44.81,60.29 44.8,60.29 38.47,60.29 38.31,60.45 38.31,63.84 38.44,63.97 49.78,63.97
N16895022 on TOP: 26.77,1.98 26.77,5.61 26.9,5.74 29.36,5.74 29.85,5.25 29.85,2.23 29.49,1.88 26.87,1.88
N16895022 on L3-SIG1: 28.95,5.3 34.74,5.3 35.3,5.86 35.3,8.66 35.51,8.86 36.98,8.86 37.18,8.66 37.18,1.9 36.88,1.6 29,1.6 28.75,1.85 28.75,5.1
N16936296 on TOP: 3.7,34.41 3.7,34.15 3.74,34.12 5.61,34.12 5.66,34.17 5.66,34.72 5.63,34.76 4.67,34.76 4.43,34.51 3.8,34.51
N16936296 on TOP: 4.95,30.78 5.07,30.89 6.38,30.89 6.47,30.8 6.47,30.17 6.22,29.91 6.22,28.83 6.1,28.7 5.08,28.7 4.95,28.83

Small or netless copper shapes (teardrops, artwork), in the pictures only: 2 on TOP

## Text on the board
BOTTOM: aNode-FEM - CNTRLR v1 Rev-A
Ref Des/Silkscreen Bottom: A | C | K
User.Comments: CR_365_2 | CR_A_7 | CR_A_8 | CR_A_2 | CR_3_4 | CR_1_6 | CR_C_1 | CR_1_32 | CR_QWE_1 | CR_A_17 | CR_UNNAMED_1 | CR_123456_1 | CR_1_4 | CR_A_9 | CR_C_2 | CR_1_13 | CR_UNNAMED_6 | CR_UNNAMED_7 | CR_1_33 | CR_UNNAMED_5 | CR_UNNAMED_4 | CR_UNNAMED_3 | CR_365_1 | CR_UNNAMED_8 | CR_C_5 | CR_1_37 | CR_1_2 | CR_1_3 | CR_RET_1 | CR_C_6 | CR_123_1 | CR_G_2 | CR_A_15 | CR_321_1 | CR_1_9 | CR_2_2 | CR_H_2 | CR_1_8 | CR_123_2 | CR_1_5 | CR_E_3 | CR_F_2 | CR_B_4 | CR_SUTR_1 | CR_1_10 | CR_RTR_1 | OC - FEMA - CNTRLR v1 Rev-B | UNLESS OTHERWISE SPECIFIED | ALL DIMENSIONS ARE IN | INCHES | DATE | MILS | SIZE | SCALE | DRAWING TITLE | PART NUMBER | 1/1 | SHEET | 1  OF | 1 | Rev | D | A | FILM LAYER : | DESIGNED AT: | DATE       :23-07-2017 | RelySys Technologies | CAD | DATA | 20-08-2019 | DO NOT MANUALLY | OC - FEMA - CNTRLR v1 Rev-A | C | B | 8 | 7 | 6 | 5 | 4 | 3 | X | 2 | PLACEMENT_TOP | 11. COMPARE SUPPLIED IPC-D-356 NETLIST TO SUPPLIED GERBER DATA | 10. REQUEST FABRICATOR TO ADD TEAR DROPS IF NOT ADDED IN THE GERBERS. | 14. BOARD INFORMATION: | 13. VIA ON PAD SHOULD BE FILLED WITH FLAT SURFACE FINISH | 15. DONT KEEP PCB MANUFACTURER LOGO IN PCB. | 12  CONTROLLED IMPEDANCE: SEE LAYER STACK AND IMPEDANCE CHART. | 5. SILK SCREEN LEGEND TO BE APPLIED PER LAYER STACKUP USING WHITE | 4. SOLDER MASK MATERIAL SHALL MEET ALL THE REQUIREMENTS OF | IPC-SM-840C AND SHALL BE MATT BLACK IN COLOR AND APPLIED OVER BARE COPPER. | 3. SURFACE FINISH:  IMMERSION GOLD | COPPER: AS PER STACKUP. | NON-CONDUCTIVE EPOXY INK. | 2. MATERIAL:. 370HR | DIELECTRIC:  FR4 PER IPC-4101. | U.L. RATING: 94V-0 MINIMUM | NOTES: UNLESS OTHERWISE SPECIFIED. | 7. PCB MUST BE 100% ELECTRICALLY TESTED FOR SHORTS AND CONTINUITY STRICTLY | 6. GERBER SHOULD BE VERIFIED FOR 100% CONTINUITY AND SHORTS TESTING STRICTLY | NOTE: THE IMPEDANCE CHARTS WILL REFLECT ALL POSSIBLE | 9. DIELECTRICS AND LINEWIDTHS MAY BE ADJUSTED TO MEET THE IMPEDANCE | IMPEDANCE VALUES WHICH MAY BE REQUIRED IN THE DESIGN. NOT | 8. BOW AND TWIST SHALL NOT EXCEED 0.7% OF LONGEST SIDE . | ALL VALUES WILL BE PRESENT ON EACH LAYER. | 1. FABRICATE AS PER IPC-6011 AND IPC-6012 CLASS 2. | A. MINIMUM CONDUCTOR SPACING : 3.4 MIL | B. MINIMUM CONDUCTOR WIDTH : 3.28 MIL | WITH THE IPC-D-356A NETLIST | USING IPC-D-356A NETLIST PROVIDED IN CAM DIRECTORY ONLY. | PRIOR TO FABRICATION. | THERE SHALL BE NO SILKSCREEN ON ANY SOLDERABLE AREA.
TOP: aNode-FEM - CNTRLR v1 Rev-B
Ref Des/Assembly Top: PCB EDGE
Ref Des/Silkscreen Top: U55 | Designed and made in California | with Love and Sunshine | PCB EDGE
PAGE_OUTLINE: UPDATE
DEVICE_TYPE_BOTTOM: X.XX = +/- 0.03 | X.XXX = +/- 0.010 | +/- 30' | PROPRIETARY INFORMATION | NO DISSEMINATION OR USE | ALLOWED WITHOUT PRIOR | WRITTEN PERMISSION | DATE | DWN BY | CHKD BY | APVD BY | MAY/13/2013 | TL CHEUNG | NEIL THOMAS | ZHAGNKAI@FASTPRINT | SIZE | SCALE | NIL | CAGE CODE | DOCUMENT NO. | SHEET | REV | FINISH | MATERIAL | DECIMALS | HEAT TREAT | TOLERANCES ON | ANGLES | DIMENSION ARE IN INCHES | UNLESS OTHERWISE SPECIFIED | SEE THE NOTICE | D | MG02-A790-004 | 1 OF 2 | 00 | DESCRIPTION | 4000 MacArthur Bild., Newport Beach, CA92660 | APVD/DATE | NOTES: UNLESS OTHERWISE SPECIFIED. | 1.  REFERENCE SCHEMATIC MG02-X790-004. | 2.  SOLDER AND CLEAN ASSEMBLY PER 19073A11. | 3.  FORM COMPONENT LEADS PER GS00-S101. | 4.  REFERENCE DESIGNATIONS ARE USED IN LIEU OF ITEM | NUMBER CALL OUT AND DO NOT APPEAR ON ACTUAL PARTS. | 5.  SQUARE PADS ON BOARD INDICATE PIN 1 OF IC, | POSITIVE PIN OF POLARIZED COMPONENT. | 6.  RUBBER STAMP ASSEMBLY DASH NUMBER USING 0.075 HIGH | CHARACTERS. INK SHALL BE MARKEM 7251 FRS OR EQUIVALENT. | 7.  MAXIMUM WARP AND TWIST OF FINISHED ASSEMBLY | SHALL BE 1% WHEN MEASURED PER IPC-A-600. | RELEASE FOR MG02-A790-004 | NEXT ASSEMBLY | APPLICATION | MINDSPEED TECHNOLOGIES INC. | SEE SEPARATE PART LIST (BOM) | ALL SUBSEQUENT ASSEMBLIES | MG02-A790-004 ASSEMBLY SHOWN | ASSEMBLY DWG | T2200 EVM BOARD
User.10: REV | SHEET | DOCUMENT NO. | CAGE CODE | NIL | SCALE | SIZE | 00 | 2 OF 2 | MG02-A790-004 | D
User.11: X.XX = +/- 0.03 | X.XXX = +/- 0.010 | +/- 30' | PROPRIETARY INFORMATION | NO DISSEMINATION OR USE | ALLOWED WITHOUT PRIOR | WRITTEN PERMISSION | DATE | DWN BY | CHKD BY | APVD BY | MAY/13/2013 | TL CHEUNG | NEIL THOMAS | ZHAGNKAI@FASTPRINT | SIZE | SCALE | NIL | CAGE CODE | DOCUMENT NO. | SHEET | REV | FINISH | MATERIAL | HEAT TREAT | DECIMALS | TOLERANCES ON | ANGLES | DIMENSION ARE IN INCHES | UNLESS OTHERWISE SPECIFIED | SEE THE NOTICE | D | MG02-F790-004 | 4000 MacArthur Blvd., Newport Beach, CA92660 | 1 OF 1 | 00 | 16.  THIS BOARD SHALL COMPLY WITH ALL RoHS REQUIREMENTS. | NOTES: UNLESS OTHERWISE SPECIFIED. | . | 1.   MATERIAL: ITEQ IT-180A HIGH TEMP FR4, PER IPC-4101A/26 OR EQUIV. | TO BE DETERMINED BY MANUFACTURER. | 2.   BONDING AGENT: PRE-IMPREGNATED "B" STAGE EPOXY GLASS CLOTH | PER IPC-4101B OR EQUIV. IF SPECIFIED, TOLERANCE OF "B" STAGE | THICKNESS TO BE +/-0.0015 OR +/-10% WHICH EVER IS GREATER. | 3.   TOTAL BOARD THICKNESS SHALL BE 0.063+/-0.008 | 4.   LAYER TO ANY LAYER REGISTRATION TO BE +/-0.004. | 5.   FABRICATE BOARD USING ARTWORK MG02-C790-004 | 6.   FABRICATE IN ACCORDANCE WITH IPC-6012, CLASS 2. | ACCEPT PER IPC-A-600. | 7.   ALL HOLES SHALL BE LOCATED WITHIN 0.006 DIA TRUE POSITION | OF WORKING TOOL CENTERS. | 8.   APPLY DESIGNATIONS USING SILKSCREEN MASTER TO BOTH SIDES | OF BOARD WITH WRITE PERMANENT SOLVENT RESISTANT INK. | 9.   APPLY LIQUID PHOTO-IMAGEABLE SOLDER MASK OVER BARE COPPER (SMOBC) | TO FRONT AND REAR SIDES OF BOARD. | 10.  DO NOT SOLDER REFLOW. | 11.  THE NUMBER OF LAYER FOR THIS BOARD: 8 LAYERS | 15.  SURFACE METALLIZATION TO BE ENIG-3-8 MICROINCHES IMMERSION | GOLD OVER 100-200 MICROINCHES ELECTROLESS NICKEL. | 12.  FINISHED HOLE SIZE TOLERANCES: | PLATED THRU HOLES: +/-0.003. | NON-PLATED THRU HOLES: +0.003/-0.002. | 13.  THIS BOARD CONTAINS SURFACE MOUNT DEVICES ON BOTH SIDES. | 14.  SEE IMPEDANCE DETAIL IN THE TABLE "B", | 1 AND 2 OZ COPPER.  BOARD CONSTRUCTION, SEE DETAIL IN TABLE "A", | DESCRIPTION | RELEASE FOR MG02-F790-004 | APVD/DATE | NEXT ASSEMBLY | APPLICATION | PART NUMBER: MG02-F790-004 | MINDSPEED TECHNOLOGIES INC. | T2200 EVM BOARD | FABRICATION DWG
User.17: FABRICATION DRAWING | IMPEDENCE | 90 OHM | 100 OHM | 50 OHM | LAYER-L1 | LAYER-L3 | LAYER-L4 | LAYER-L6 | LAYER | TRACE WIDTH | 4.0 | 5.0 | 4.7 | - | SEPERATION | 5.7 | 6.0 | REF LAYER | L2 | L5 | SENSITIVE ELECTRONIC DEVICES-CLASS 1 | CAUTION
User.18: 0 | INCHES | MILLIMETERS | SIZE | DRAWING TITLE | PART NUMBER | REV | 3 X 40mils Fiducials with 80mils solder mask opening both sides | 3 X 125mils npt holes with 135mil solder mask opening | 700mils | 200mils | 93mils | 2- Array size  X = 7.40" Y = 10.00" | 1- Rail area 400mils | 30 | 50mils | 100mils | board edge | 31mils npt 10mils outside the board edge | 0.0670" | Scoring Web | 0.016" | PANEL DRAWING | D | 02-03-2016 | FB_CONNECT1_RF_SDR_BRD | FACEBOOK | 1 | X | Scoring Detail | Scoring
User.32: 0.00 | 8.00 | 55.50 | {\Fgdt;n}\Ftxt;3.50 | {\Fgdt;n}\Ftxt;7.50 | 63.50 | 170.18 | 35.00 | 85.00 | 140.18
User.33: 54.86\P[2.2] | 8.63\P[0.3] | 170.00\P[6.7] | 63.50\P[2.5] | 50.75\P[2.0] | 31.75\P[1.3] | 12.75\P[0.5] | 0.00\P[0.0] | 22.37\P[0.9] | 87.35\P[3.4] | 113.54\P[4.5] | 164.67\P[6.5]\Pnot feasible
User.34: 51.05 | 4.83 | 0 | 27.94 | 22.37 | 87.35 | 115.89 | 164.67 | 169.85 | 55.88
User.35: 21 | 20 | 1 | 40 | 3
User.39: 40 | 20 | 21 | 1 | 3 | 2 | 6 | 10 | 5 | 8 | 9 | 16 | 4 | FILM LAYER: | DESIGNED AT: | CARD REF:OpenCellular lConnect-1 lFRONTEND Board | DATE:1-13-2017 | PART NUMBER:231-000085 | Life-3 | PLACEMENT_BOTTOM
User.41: 21 | 1 | 20 | 40
User.42: 6.59 | 2.20
User.43: (1.6 +/- 10 % MM) | SECONDARY SIDE, SILK SCREEN | PRIMARY SIDE, SOLDER MASK | PRIMARY SIDE, SILK SCREEN | PRIMARY SIDE, LAYER 1 - 2.55 MIL | SECONDARY SIDE, LAYER 6 - 2.55 MIL | SECONDARY SIDE, SOLDER MASK | DIELECTRIC | INNER1 LAYER, LAYER 3 - 0.709 MIL | POWER LAYER, LAYER 5-  0.709 MIL | GROUND LAYER, LAYER 2 - 0.709 MIL | INNER2 LAYER, LAYER 4 - 0.709 MIL | 4.094 MIL | 4.488 MIL | 1.00 MIL | 39.788 MIL | UNITS -MILS
User.45: LAYER6 | LAYER7 | LAYER8 | LAYER9 | DESIGNED AT: | DATE:       23-07-2017 | FILM LAYER: | SOLDERMASK TOP | RelySys Technologies | SILKSCREEN BOTTOM | SOLDER PASTE BOTTOM | SOLDERMASK BOTTOM | SOLDER PASTE TOP | ASSEMBLY BOTTOM | SILKSCREEN TOP | ASSEMBLY TOP | BOTTOM-L06 | SIG2-L04 | GND-L02 | TOP-L01 | PWR-L05 | SIG1-L03 | FABRICATION LAYER | FABRICATION DRAWING | FIGURE | SIZE | 10.0 | 31.5 | 35.433 | 39.37 | 40.157 | 43.307 | 47.244 | 48.0 | 51.181 | 212.992 | 20.0 | 43.0 | 61.024 | 78.701 | 39.402x31.5 | 51.201x31.5 | DRILL CHART: TOP to BOTTOM | ALL UNITS ARE IN MILS | TOLERANCE | +3.0/-3.0 | PLATED | NON-PLATED | QTY | 868 | 2 | 12 | 6 | 20 | 4 | 8 | 3
